# KiCad board APDS9960 Adapter board_panel.kicad_pcb
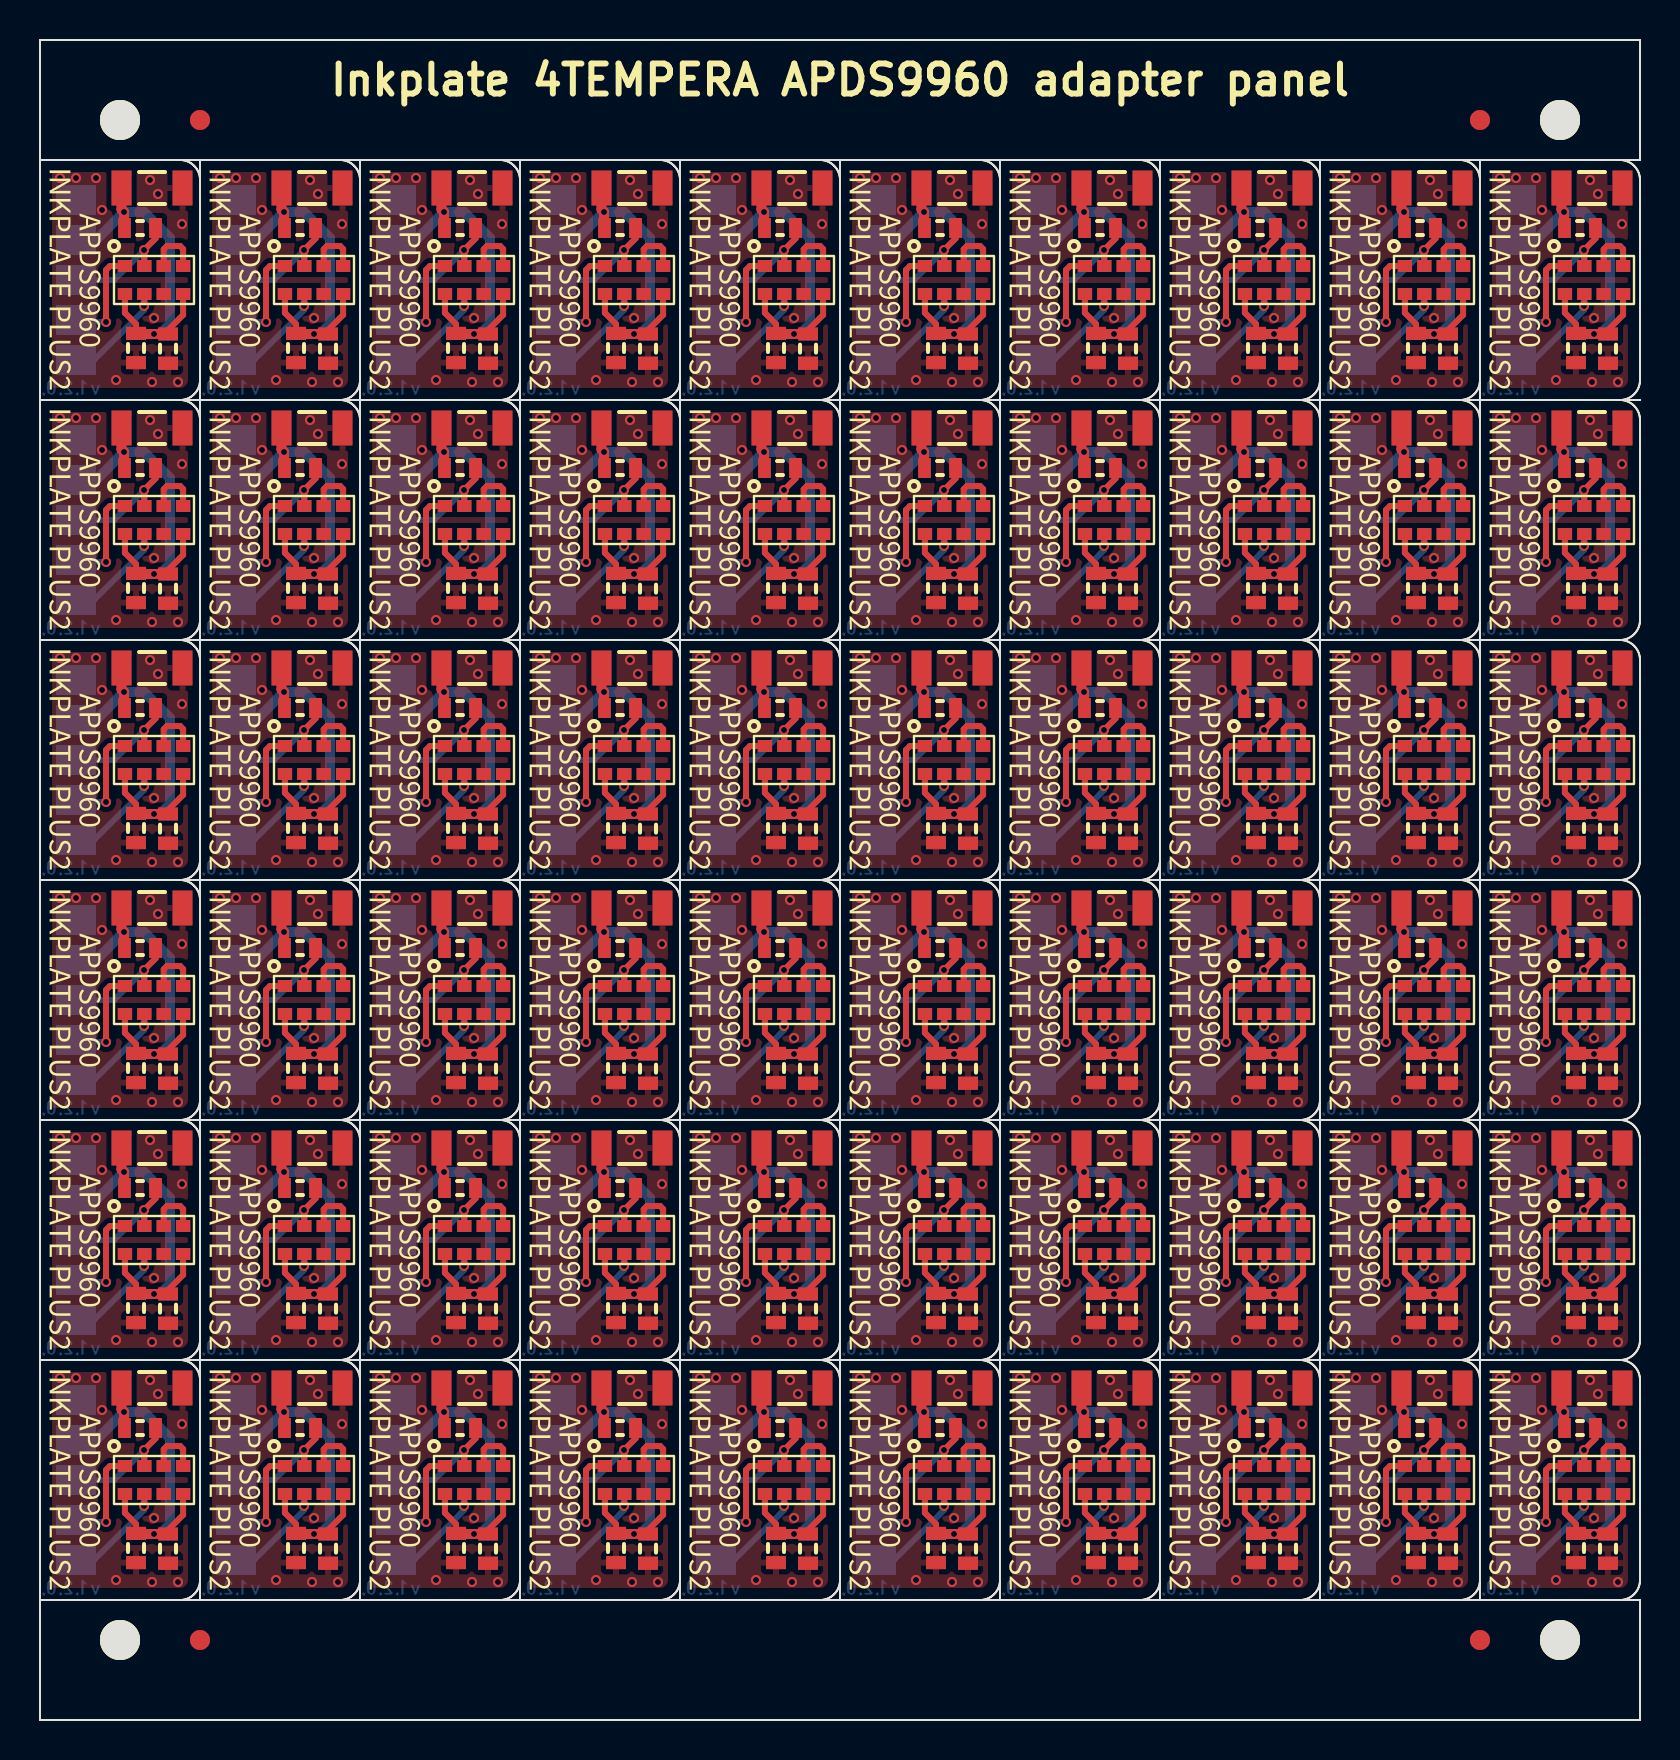
[diagram p0: board, top side]
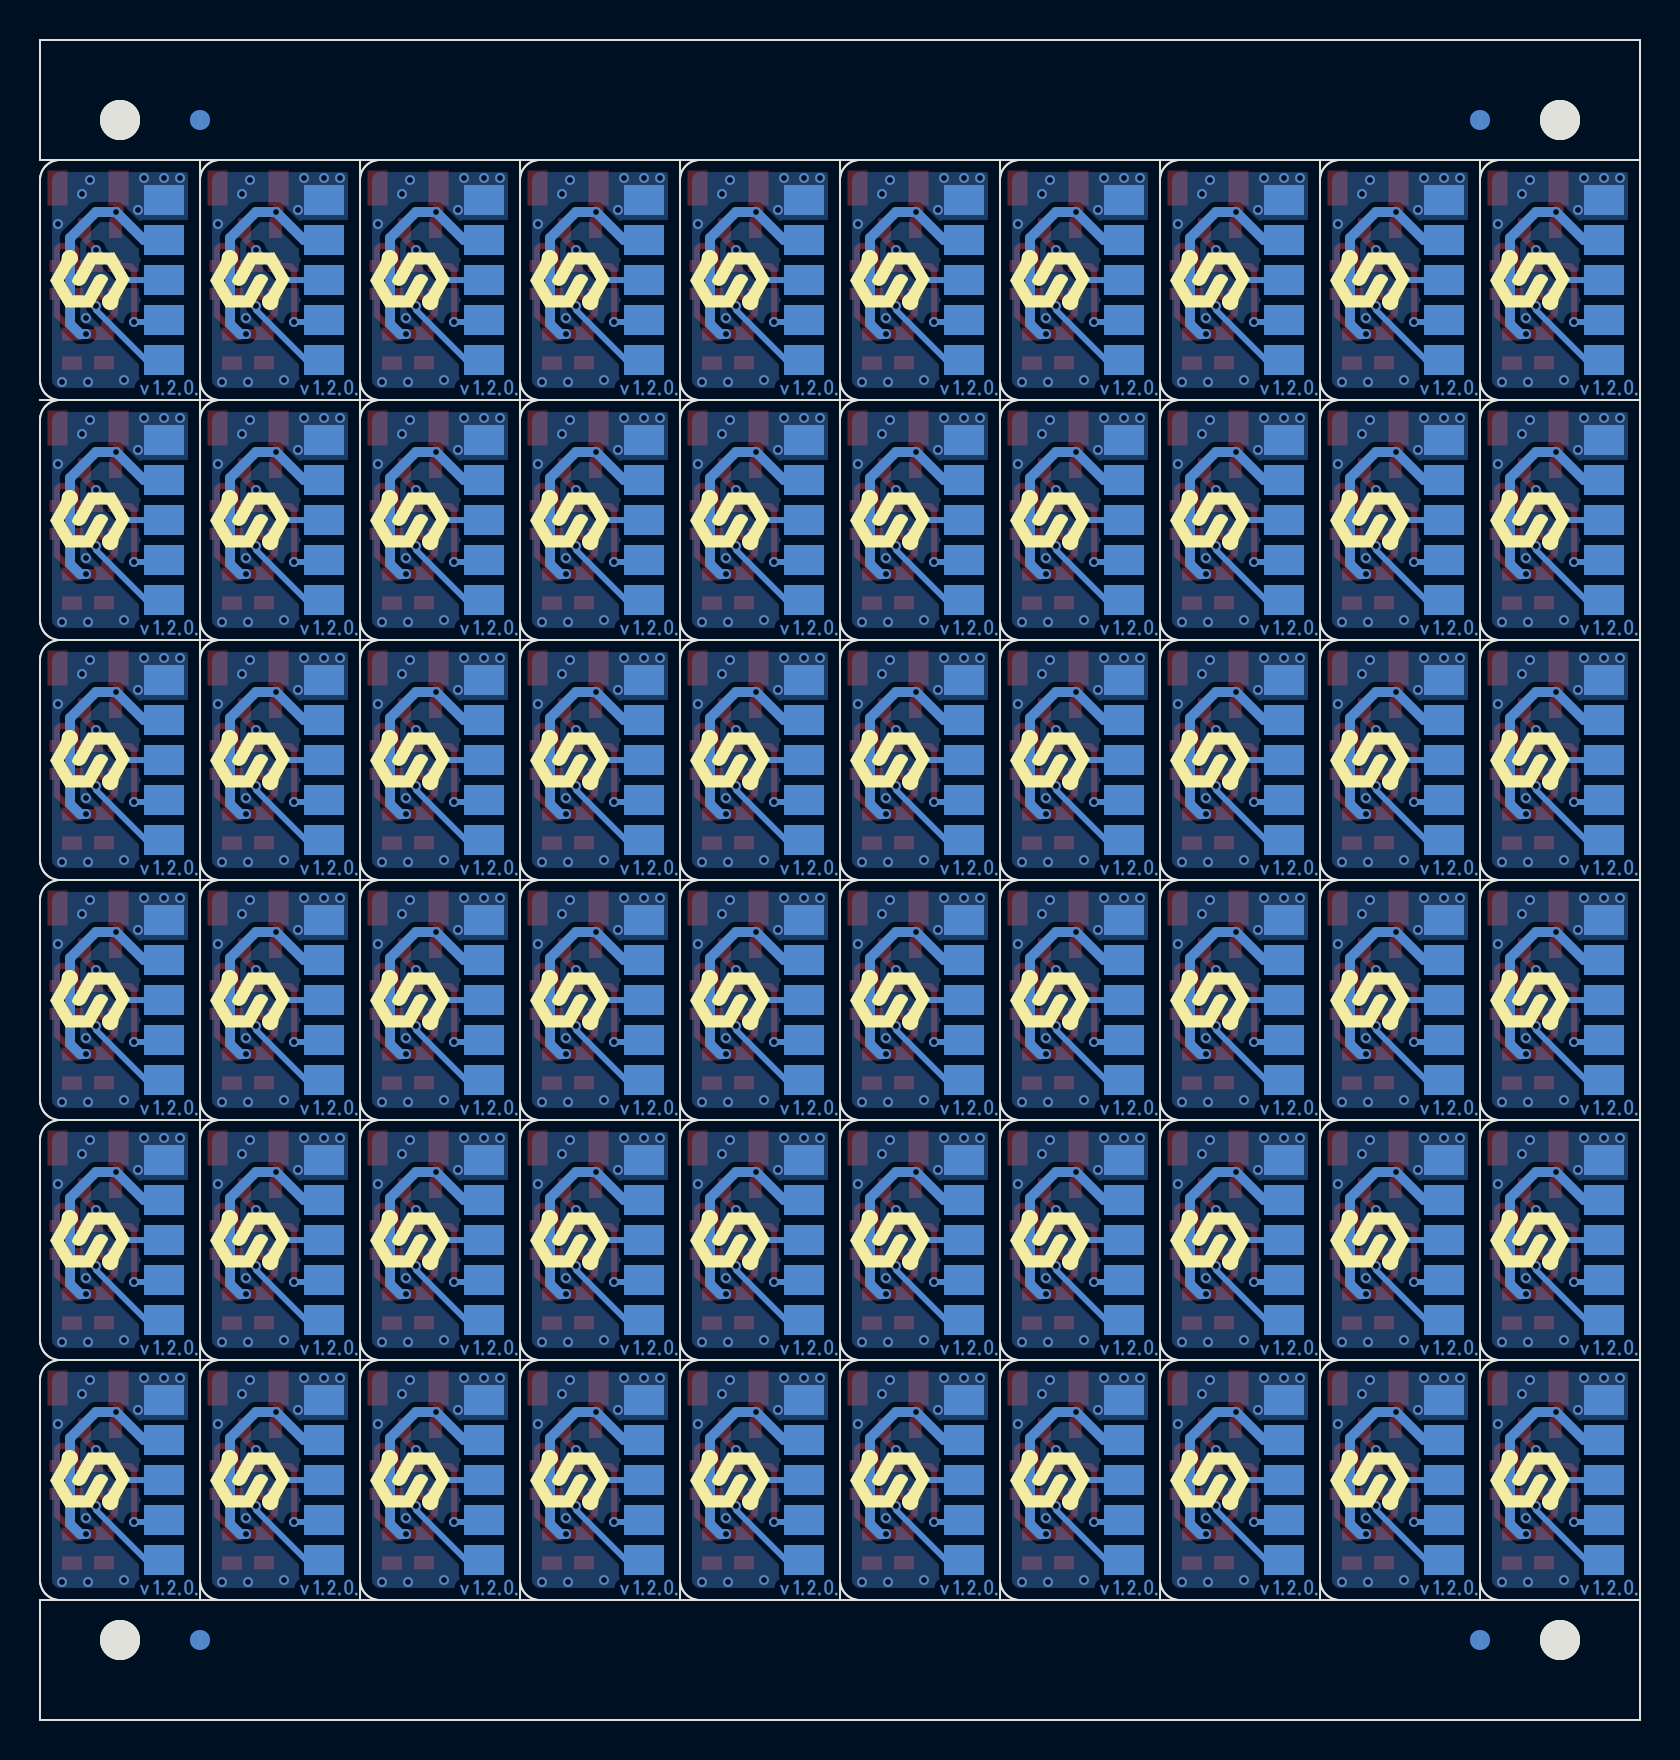
[diagram p1: board, bottom side, seen from below]

Outline 80 x 84 mm; copper layers: Top, Bottom. Coordinates in mm from the lower left corner of the outline.
Stack: Top 0.035mm / dielectric 1.51mm FR4 er 4.5 / Bottom 0.035mm

## Placement (name value [footprint] x y rotation side)
C1  1u  [0603C]  4.8 8.6 90 top
C1#2  1u  [0603C]  36.8 56.6 90 top
C1#3  1u  [0603C]  28.8 8.6 90 top
C1#4  1u  [0603C]  76.8 32.6 90 top
C1#5  1u  [0603C]  60.8 8.6 90 top
C1#6  1u  [0603C]  44.8 32.6 90 top
C1#7  1u  [0603C]  60.8 20.6 90 top
C1#8  1u  [0603C]  52.8 8.6 90 top
C1#9  1u  [0603C]  76.8 20.6 90 top
C1#10  1u  [0603C]  28.8 68.6 90 top
C1#11  1u  [0603C]  20.8 20.6 90 top
C1#12  1u  [0603C]  44.8 44.6 90 top
C1#13  1u  [0603C]  20.8 44.6 90 top
C1#14  1u  [0603C]  60.8 44.6 90 top
C1#15  1u  [0603C]  12.8 8.6 90 top
C1#16  1u  [0603C]  36.8 32.6 90 top
C1#17  1u  [0603C]  20.8 56.6 90 top
C1#18  1u  [0603C]  76.8 68.6 90 top
C1#19  1u  [0603C]  76.8 44.6 90 top
C1#20  1u  [0603C]  20.8 8.6 90 top
C1#21  1u  [0603C]  36.8 8.6 90 top
C1#22  1u  [0603C]  44.8 56.6 90 top
C1#23  1u  [0603C]  68.8 20.6 90 top
C1#24  1u  [0603C]  12.8 44.6 90 top
C1#25  1u  [0603C]  4.8 32.6 90 top
C1#26  1u  [0603C]  76.8 56.6 90 top
C1#27  1u  [0603C]  52.8 56.6 90 top
C1#28  1u  [0603C]  44.8 8.6 90 top
C1#29  1u  [0603C]  60.8 32.6 90 top
C1#30  1u  [0603C]  60.8 68.6 90 top
C1#31  1u  [0603C]  52.8 68.6 90 top
C1#32  1u  [0603C]  68.8 56.6 90 top
C1#33  1u  [0603C]  68.8 68.6 90 top
C1#34  1u  [0603C]  12.8 20.6 90 top
C1#35  1u  [0603C]  52.8 44.6 90 top
C1#36  1u  [0603C]  4.8 44.6 90 top
C1#37  1u  [0603C]  76.8 8.6 90 top
C1#38  1u  [0603C]  36.8 68.6 90 top
C1#39  1u  [0603C]  28.8 56.6 90 top
C1#40  1u  [0603C]  28.8 20.6 90 top
C1#41  1u  [0603C]  68.8 32.6 90 top
C1#42  1u  [0603C]  28.8 32.6 90 top
C1#43  1u  [0603C]  28.8 44.6 90 top
C1#44  1u  [0603C]  4.8 68.6 90 top
C1#45  1u  [0603C]  20.8 32.6 90 top
C1#46  1u  [0603C]  60.8 56.6 90 top
C1#47  1u  [0603C]  44.8 20.6 90 top
C1#48  1u  [0603C]  12.8 68.6 90 top
C1#49  1u  [0603C]  68.8 8.6 90 top
C1#50  1u  [0603C]  4.8 20.6 90 top
C1#51  1u  [0603C]  36.8 44.6 90 top
C1#52  1u  [0603C]  4.8 56.6 90 top
C1#53  1u  [0603C]  12.8 32.6 90 top
C1#54  1u  [0603C]  52.8 32.6 90 top
C1#55  1u  [0603C]  12.8 56.6 90 top
C1#56  1u  [0603C]  68.8 44.6 90 top
C1#57  1u  [0603C]  44.8 68.6 90 top
C1#58  1u  [0603C]  20.8 68.6 90 top
C1#59  1u  [0603C]  36.8 20.6 90 top
C1#60  1u  [0603C]  52.8 20.6 90 top
C2  100n  [0603C]  70.4 68.57 90 top
C2#2  100n  [0603C]  78.4 56.57 90 top
C2#3  100n  [0603C]  62.4 44.57 90 top
C2#4  100n  [0603C]  22.4 32.57 90 top
C2#5  100n  [0603C]  54.4 44.57 90 top
C2#6  100n  [0603C]  30.4 20.57 90 top
C2#7  100n  [0603C]  38.4 68.57 90 top
C2#8  100n  [0603C]  38.4 56.57 90 top
C2#9  100n  [0603C]  38.4 20.57 90 top
C2#10  100n  [0603C]  62.4 32.57 90 top
C2#11  100n  [0603C]  30.4 8.57 90 top
C2#12  100n  [0603C]  14.4 32.57 90 top
C2#13  100n  [0603C]  54.4 8.57 90 top
C2#14  100n  [0603C]  78.4 8.57 90 top
C2#15  100n  [0603C]  78.4 68.57 90 top
C2#16  100n  [0603C]  30.4 56.57 90 top
C2#17  100n  [0603C]  38.4 32.57 90 top
C2#18  100n  [0603C]  54.4 32.57 90 top
C2#19  100n  [0603C]  46.4 56.57 90 top
C2#20  100n  [0603C]  14.4 20.57 90 top
C2#21  100n  [0603C]  78.4 44.57 90 top
C2#22  100n  [0603C]  62.4 68.57 90 top
C2#23  100n  [0603C]  78.4 32.57 90 top
C2#24  100n  [0603C]  70.4 20.57 90 top
C2#25  100n  [0603C]  6.4 20.57 90 top
C2#26  100n  [0603C]  14.4 56.57 90 top
C2#27  100n  [0603C]  30.4 32.57 90 top
C2#28  100n  [0603C]  54.4 68.57 90 top
C2#29  100n  [0603C]  6.4 44.57 90 top
C2#30  100n  [0603C]  70.4 56.57 90 top
C2#31  100n  [0603C]  22.4 56.57 90 top
C2#32  100n  [0603C]  70.4 8.57 90 top
C2#33  100n  [0603C]  38.4 8.57 90 top
C2#34  100n  [0603C]  6.4 68.57 90 top
C2#35  100n  [0603C]  14.4 44.57 90 top
C2#36  100n  [0603C]  46.4 44.57 90 top
C2#37  100n  [0603C]  22.4 44.57 90 top
C2#38  100n  [0603C]  46.4 8.57 90 top
C2#39  100n  [0603C]  46.4 20.57 90 top
C2#40  100n  [0603C]  54.4 56.57 90 top
C2#41  100n  [0603C]  22.4 20.57 90 top
C2#42  100n  [0603C]  62.4 8.57 90 top
C2#43  100n  [0603C]  14.4 8.57 90 top
C2#44  100n  [0603C]  22.4 68.57 90 top
C2#45  100n  [0603C]  6.4 8.57 90 top
C2#46  100n  [0603C]  30.4 44.57 90 top
C2#47  100n  [0603C]  78.4 20.57 90 top
C2#48  100n  [0603C]  6.4 32.57 90 top
C2#49  100n  [0603C]  30.4 68.57 90 top
C2#50  100n  [0603C]  46.4 68.57 90 top
C2#51  100n  [0603C]  46.4 32.57 90 top
C2#52  100n  [0603C]  70.4 32.57 90 top
C2#53  100n  [0603C]  14.4 68.57 90 top
C2#54  100n  [0603C]  54.4 20.57 90 top
C2#55  100n  [0603C]  62.4 20.57 90 top
C2#56  100n  [0603C]  62.4 56.57 90 top
C2#57  100n  [0603C]  22.4 8.57 90 top
C2#58  100n  [0603C]  70.4 44.57 90 top
C2#59  100n  [0603C]  6.4 56.57 90 top
C2#60  100n  [0603C]  38.4 44.57 90 top
C3  10u  [1206C]  77.6 28.6 180 top
C3#2  10u  [1206C]  37.6 52.6 180 top
C3#3  10u  [1206C]  5.6 52.6 180 top
C3#4  10u  [1206C]  13.6 28.6 180 top
C3#5  10u  [1206C]  21.6 76.6 180 top
C3#6  10u  [1206C]  77.6 64.6 180 top
C3#7  10u  [1206C]  77.6 52.6 180 top
C3#8  10u  [1206C]  5.6 40.6 180 top
C3#9  10u  [1206C]  61.6 16.6 180 top
C3#10  10u  [1206C]  29.6 76.6 180 top
C3#11  10u  [1206C]  53.6 16.6 180 top
C3#12  10u  [1206C]  77.6 76.6 180 top
C3#13  10u  [1206C]  21.6 28.6 180 top
C3#14  10u  [1206C]  69.6 76.6 180 top
C3#15  10u  [1206C]  45.6 28.6 180 top
C3#16  10u  [1206C]  37.6 64.6 180 top
C3#17  10u  [1206C]  45.6 52.6 180 top
C3#18  10u  [1206C]  77.6 16.6 180 top
C3#19  10u  [1206C]  5.6 16.6 180 top
C3#20  10u  [1206C]  13.6 64.6 180 top
C3#21  10u  [1206C]  61.6 76.6 180 top
C3#22  10u  [1206C]  45.6 40.6 180 top
C3#23  10u  [1206C]  21.6 52.6 180 top
C3#24  10u  [1206C]  5.6 76.6 180 top
C3#25  10u  [1206C]  61.6 64.6 180 top
C3#26  10u  [1206C]  61.6 52.6 180 top
C3#27  10u  [1206C]  21.6 16.6 180 top
C3#28  10u  [1206C]  13.6 76.6 180 top
C3#29  10u  [1206C]  69.6 40.6 180 top
C3#30  10u  [1206C]  61.6 40.6 180 top
C3#31  10u  [1206C]  53.6 28.6 180 top
C3#32  10u  [1206C]  69.6 52.6 180 top
C3#33  10u  [1206C]  21.6 40.6 180 top
C3#34  10u  [1206C]  13.6 52.6 180 top
C3#35  10u  [1206C]  45.6 64.6 180 top
C3#36  10u  [1206C]  61.6 28.6 180 top
C3#37  10u  [1206C]  69.6 16.6 180 top
C3#38  10u  [1206C]  37.6 16.6 180 top
C3#39  10u  [1206C]  77.6 40.6 180 top
C3#40  10u  [1206C]  29.6 52.6 180 top
C3#41  10u  [1206C]  13.6 40.6 180 top
C3#42  10u  [1206C]  53.6 40.6 180 top
C3#43  10u  [1206C]  5.6 64.6 180 top
C3#44  10u  [1206C]  21.6 64.6 180 top
C3#45  10u  [1206C]  5.6 28.6 180 top
C3#46  10u  [1206C]  53.6 76.6 180 top
C3#47  10u  [1206C]  13.6 16.6 180 top
C3#48  10u  [1206C]  37.6 40.6 180 top
C3#49  10u  [1206C]  29.6 40.6 180 top
C3#50  10u  [1206C]  45.6 76.6 180 top
C3#51  10u  [1206C]  45.6 16.6 180 top
C3#52  10u  [1206C]  29.6 16.6 180 top
C3#53  10u  [1206C]  29.6 28.6 180 top
C3#54  10u  [1206C]  53.6 64.6 180 top
C3#55  10u  [1206C]  53.6 52.6 180 top
C3#56  10u  [1206C]  69.6 28.6 180 top
C3#57  10u  [1206C]  69.6 64.6 180 top
C3#58  10u  [1206C]  29.6 64.6 180 top
C3#59  10u  [1206C]  37.6 76.6 180 top
C3#60  10u  [1206C]  37.6 28.6 180 top
G***  LOGO  [Logo-Back-Soldered-4mm]  45.5 48 90 top
G***#2  LOGO  [Logo-Back-Soldered-4mm]  45.5 12 90 top
G***#3  LOGO  [Logo-Back-Soldered-4mm]  37.5 48 90 top
G***#4  LOGO  [Logo-Back-Soldered-4mm]  37.5 36 90 top
G***#5  LOGO  [Logo-Back-Soldered-4mm]  21.5 60 90 top
G***#6  LOGO  [Logo-Back-Soldered-4mm]  53.5 12 90 top
G***#7  LOGO  [Logo-Back-Soldered-4mm]  37.5 60 90 top
G***#8  LOGO  [Logo-Back-Soldered-4mm]  13.5 24 90 top
G***#9  LOGO  [Logo-Back-Soldered-4mm]  53.5 72 90 top
G***#10  LOGO  [Logo-Back-Soldered-4mm]  61.5 36 90 top
G***#11  LOGO  [Logo-Back-Soldered-4mm]  29.5 12 90 top
G***#12  LOGO  [Logo-Back-Soldered-4mm]  5.5 24 90 top
G***#13  LOGO  [Logo-Back-Soldered-4mm]  13.5 12 90 top
G***#14  LOGO  [Logo-Back-Soldered-4mm]  5.5 36 90 top
G***#15  LOGO  [Logo-Back-Soldered-4mm]  61.5 48 90 top
G***#16  LOGO  [Logo-Back-Soldered-4mm]  77.5 48 90 top
G***#17  LOGO  [Logo-Back-Soldered-4mm]  69.5 60 90 top
G***#18  LOGO  [Logo-Back-Soldered-4mm]  13.5 60 90 top
G***#19  LOGO  [Logo-Back-Soldered-4mm]  21.5 48 90 top
G***#20  LOGO  [Logo-Back-Soldered-4mm]  61.5 24 90 top
G***#21  LOGO  [Logo-Back-Soldered-4mm]  77.5 12 90 top
G***#22  LOGO  [Logo-Back-Soldered-4mm]  5.5 60 90 top
G***#23  LOGO  [Logo-Back-Soldered-4mm]  37.5 72 90 top
G***#24  LOGO  [Logo-Back-Soldered-4mm]  45.5 72 90 top
G***#25  LOGO  [Logo-Back-Soldered-4mm]  69.5 12 90 top
G***#26  LOGO  [Logo-Back-Soldered-4mm]  13.5 72 90 top
G***#27  LOGO  [Logo-Back-Soldered-4mm]  13.5 48 90 top
G***#28  LOGO  [Logo-Back-Soldered-4mm]  53.5 24 90 top
G***#29  LOGO  [Logo-Back-Soldered-4mm]  37.5 24 90 top
G***#30  LOGO  [Logo-Back-Soldered-4mm]  29.5 60 90 top
G***#31  LOGO  [Logo-Back-Soldered-4mm]  29.5 24 90 top
G***#32  LOGO  [Logo-Back-Soldered-4mm]  61.5 60 90 top
G***#33  LOGO  [Logo-Back-Soldered-4mm]  77.5 72 90 top
G***#34  LOGO  [Logo-Back-Soldered-4mm]  45.5 36 90 top
G***#35  LOGO  [Logo-Back-Soldered-4mm]  61.5 72 90 top
G***#36  LOGO  [Logo-Back-Soldered-4mm]  29.5 72 90 top
G***#37  LOGO  [Logo-Back-Soldered-4mm]  5.5 72 90 top
G***#38  LOGO  [Logo-Back-Soldered-4mm]  77.5 24 90 top
G***#39  LOGO  [Logo-Back-Soldered-4mm]  21.5 72 90 top
G***#40  LOGO  [Logo-Back-Soldered-4mm]  53.5 60 90 top
G***#41  LOGO  [Logo-Back-Soldered-4mm]  45.5 24 90 top
G***#42  LOGO  [Logo-Back-Soldered-4mm]  21.5 24 90 top
G***#43  LOGO  [Logo-Back-Soldered-4mm]  29.5 48 90 top
G***#44  LOGO  [Logo-Back-Soldered-4mm]  45.5 60 90 top
G***#45  LOGO  [Logo-Back-Soldered-4mm]  21.5 12 90 top
G***#46  LOGO  [Logo-Back-Soldered-4mm]  53.5 36 90 top
G***#47  LOGO  [Logo-Back-Soldered-4mm]  69.5 48 90 top
G***#48  LOGO  [Logo-Back-Soldered-4mm]  69.5 24 90 top
G***#49  LOGO  [Logo-Back-Soldered-4mm]  13.5 36 90 top
G***#50  LOGO  [Logo-Back-Soldered-4mm]  69.5 72 90 top
G***#51  LOGO  [Logo-Back-Soldered-4mm]  21.5 36 90 top
G***#52  LOGO  [Logo-Back-Soldered-4mm]  77.5 60 90 top
G***#53  LOGO  [Logo-Back-Soldered-4mm]  69.5 36 90 top
G***#54  LOGO  [Logo-Back-Soldered-4mm]  29.5 36 90 top
G***#55  LOGO  [Logo-Back-Soldered-4mm]  5.5 48 90 top
G***#56  LOGO  [Logo-Back-Soldered-4mm]  5.5 12 90 top
G***#57  LOGO  [Logo-Back-Soldered-4mm]  61.5 12 90 top
G***#58  LOGO  [Logo-Back-Soldered-4mm]  77.5 36 90 top
G***#59  LOGO  [Logo-Back-Soldered-4mm]  37.5 12 90 top
G***#60  LOGO  [Logo-Back-Soldered-4mm]  53.5 48 90 top
kibuzzard-64A9B32F  G***  [kibuzzard-64A9B32F]  17 48 270 top
kibuzzard-64A9B32F#2  G***  [kibuzzard-64A9B32F]  25 48 270 top
kibuzzard-64A9B32F#3  G***  [kibuzzard-64A9B32F]  57 60 270 top
kibuzzard-64A9B32F#4  G***  [kibuzzard-64A9B32F]  57 36 270 top
kibuzzard-64A9B32F#5  G***  [kibuzzard-64A9B32F]  1 48 270 top
kibuzzard-64A9B32F#6  G***  [kibuzzard-64A9B32F]  25 24 270 top
kibuzzard-64A9B32F#7  G***  [kibuzzard-64A9B32F]  1 72 270 top
kibuzzard-64A9B32F#8  G***  [kibuzzard-64A9B32F]  49 48 270 top
kibuzzard-64A9B32F#9  G***  [kibuzzard-64A9B32F]  17 36 270 top
kibuzzard-64A9B32F#10  G***  [kibuzzard-64A9B32F]  33 36 270 top
kibuzzard-64A9B32F#11  G***  [kibuzzard-64A9B32F]  49 36 270 top
kibuzzard-64A9B32F#12  G***  [kibuzzard-64A9B32F]  73 36 270 top
kibuzzard-64A9B32F#13  G***  [kibuzzard-64A9B32F]  65 72 270 top
kibuzzard-64A9B32F#14  G***  [kibuzzard-64A9B32F]  57 72 270 top
kibuzzard-64A9B32F#15  G***  [kibuzzard-64A9B32F]  33 72 270 top
kibuzzard-64A9B32F#16  G***  [kibuzzard-64A9B32F]  25 36 270 top
kibuzzard-64A9B32F#17  G***  [kibuzzard-64A9B32F]  41 12 270 top
kibuzzard-64A9B32F#18  G***  [kibuzzard-64A9B32F]  1 24 270 top
kibuzzard-64A9B32F#19  G***  [kibuzzard-64A9B32F]  1 12 270 top
kibuzzard-64A9B32F#20  G***  [kibuzzard-64A9B32F]  17 12 270 top
kibuzzard-64A9B32F#21  G***  [kibuzzard-64A9B32F]  65 36 270 top
kibuzzard-64A9B32F#22  G***  [kibuzzard-64A9B32F]  1 36 270 top
kibuzzard-64A9B32F#23  G***  [kibuzzard-64A9B32F]  65 60 270 top
kibuzzard-64A9B32F#24  G***  [kibuzzard-64A9B32F]  25 60 270 top
kibuzzard-64A9B32F#25  G***  [kibuzzard-64A9B32F]  65 12 270 top
kibuzzard-64A9B32F#26  G***  [kibuzzard-64A9B32F]  65 24 270 top
kibuzzard-64A9B32F#27  G***  [kibuzzard-64A9B32F]  73 12 270 top
kibuzzard-64A9B32F#28  G***  [kibuzzard-64A9B32F]  49 12 270 top
kibuzzard-64A9B32F#29  G***  [kibuzzard-64A9B32F]  73 24 270 top
kibuzzard-64A9B32F#30  G***  [kibuzzard-64A9B32F]  73 60 270 top
kibuzzard-64A9B32F#31  G***  [kibuzzard-64A9B32F]  41 72 270 top
kibuzzard-64A9B32F#32  G***  [kibuzzard-64A9B32F]  9 60 270 top
kibuzzard-64A9B32F#33  G***  [kibuzzard-64A9B32F]  73 48 270 top
kibuzzard-64A9B32F#34  G***  [kibuzzard-64A9B32F]  9 24 270 top
kibuzzard-64A9B32F#35  G***  [kibuzzard-64A9B32F]  17 72 270 top
kibuzzard-64A9B32F#36  G***  [kibuzzard-64A9B32F]  9 72 270 top
kibuzzard-64A9B32F#37  G***  [kibuzzard-64A9B32F]  57 48 270 top
kibuzzard-64A9B32F#38  G***  [kibuzzard-64A9B32F]  33 60 270 top
kibuzzard-64A9B32F#39  G***  [kibuzzard-64A9B32F]  9 12 270 top
kibuzzard-64A9B32F#40  G***  [kibuzzard-64A9B32F]  57 24 270 top
kibuzzard-64A9B32F#41  G***  [kibuzzard-64A9B32F]  57 12 270 top
kibuzzard-64A9B32F#42  G***  [kibuzzard-64A9B32F]  17 24 270 top
kibuzzard-64A9B32F#43  G***  [kibuzzard-64A9B32F]  25 12 270 top
kibuzzard-64A9B32F#44  G***  [kibuzzard-64A9B32F]  17 60 270 top
kibuzzard-64A9B32F#45  G***  [kibuzzard-64A9B32F]  41 24 270 top
kibuzzard-64A9B32F#46  G***  [kibuzzard-64A9B32F]  73 72 270 top
kibuzzard-64A9B32F#47  G***  [kibuzzard-64A9B32F]  41 60 270 top
kibuzzard-64A9B32F#48  G***  [kibuzzard-64A9B32F]  65 48 270 top
kibuzzard-64A9B32F#49  G***  [kibuzzard-64A9B32F]  49 60 270 top
kibuzzard-64A9B32F#50  G***  [kibuzzard-64A9B32F]  33 12 270 top
kibuzzard-64A9B32F#51  G***  [kibuzzard-64A9B32F]  9 36 270 top
kibuzzard-64A9B32F#52  G***  [kibuzzard-64A9B32F]  1 60 270 top
kibuzzard-64A9B32F#53  G***  [kibuzzard-64A9B32F]  33 48 270 top
kibuzzard-64A9B32F#54  G***  [kibuzzard-64A9B32F]  41 36 270 top
kibuzzard-64A9B32F#55  G***  [kibuzzard-64A9B32F]  33 24 270 top
kibuzzard-64A9B32F#56  G***  [kibuzzard-64A9B32F]  9 48 270 top
kibuzzard-64A9B32F#57  G***  [kibuzzard-64A9B32F]  49 24 270 top
kibuzzard-64A9B32F#58  G***  [kibuzzard-64A9B32F]  49 72 270 top
kibuzzard-64A9B32F#59  G***  [kibuzzard-64A9B32F]  25 72 270 top
kibuzzard-64A9B32F#60  G***  [kibuzzard-64A9B32F]  41 48 270 top
kibuzzard-64A9B359  G***  [kibuzzard-64A9B359]  58.5 36 270 top
kibuzzard-64A9B359#2  G***  [kibuzzard-64A9B359]  10.5 24 270 top
kibuzzard-64A9B359#3  G***  [kibuzzard-64A9B359]  66.5 60 270 top
kibuzzard-64A9B359#4  G***  [kibuzzard-64A9B359]  74.5 24 270 top
kibuzzard-64A9B359#5  G***  [kibuzzard-64A9B359]  2.5 72 270 top
kibuzzard-64A9B359#6  G***  [kibuzzard-64A9B359]  18.5 24 270 top
kibuzzard-64A9B359#7  G***  [kibuzzard-64A9B359]  18.5 72 270 top
kibuzzard-64A9B359#8  G***  [kibuzzard-64A9B359]  74.5 60 270 top
kibuzzard-64A9B359#9  G***  [kibuzzard-64A9B359]  2.5 48 270 top
kibuzzard-64A9B359#10  G***  [kibuzzard-64A9B359]  50.5 12 270 top
kibuzzard-64A9B359#11  G***  [kibuzzard-64A9B359]  26.5 12 270 top
kibuzzard-64A9B359#12  G***  [kibuzzard-64A9B359]  74.5 12 270 top
kibuzzard-64A9B359#13  G***  [kibuzzard-64A9B359]  42.5 24 270 top
kibuzzard-64A9B359#14  G***  [kibuzzard-64A9B359]  18.5 60 270 top
kibuzzard-64A9B359#15  G***  [kibuzzard-64A9B359]  26.5 48 270 top
kibuzzard-64A9B359#16  G***  [kibuzzard-64A9B359]  58.5 60 270 top
kibuzzard-64A9B359#17  G***  [kibuzzard-64A9B359]  10.5 36 270 top
kibuzzard-64A9B359#18  G***  [kibuzzard-64A9B359]  10.5 60 270 top
kibuzzard-64A9B359#19  G***  [kibuzzard-64A9B359]  50.5 24 270 top
kibuzzard-64A9B359#20  G***  [kibuzzard-64A9B359]  66.5 36 270 top
kibuzzard-64A9B359#21  G***  [kibuzzard-64A9B359]  42.5 36 270 top
kibuzzard-64A9B359#22  G***  [kibuzzard-64A9B359]  26.5 72 270 top
kibuzzard-64A9B359#23  G***  [kibuzzard-64A9B359]  18.5 48 270 top
kibuzzard-64A9B359#24  G***  [kibuzzard-64A9B359]  34.5 72 270 top
kibuzzard-64A9B359#25  G***  [kibuzzard-64A9B359]  50.5 36 270 top
kibuzzard-64A9B359#26  G***  [kibuzzard-64A9B359]  18.5 12 270 top
kibuzzard-64A9B359#27  G***  [kibuzzard-64A9B359]  66.5 48 270 top
kibuzzard-64A9B359#28  G***  [kibuzzard-64A9B359]  42.5 60 270 top
kibuzzard-64A9B359#29  G***  [kibuzzard-64A9B359]  2.5 24 270 top
kibuzzard-64A9B359#30  G***  [kibuzzard-64A9B359]  34.5 24 270 top
kibuzzard-64A9B359#31  G***  [kibuzzard-64A9B359]  26.5 36 270 top
kibuzzard-64A9B359#32  G***  [kibuzzard-64A9B359]  58.5 48 270 top
kibuzzard-64A9B359#33  G***  [kibuzzard-64A9B359]  50.5 48 270 top
kibuzzard-64A9B359#34  G***  [kibuzzard-64A9B359]  10.5 48 270 top
kibuzzard-64A9B359#35  G***  [kibuzzard-64A9B359]  10.5 12 270 top
kibuzzard-64A9B359#36  G***  [kibuzzard-64A9B359]  50.5 60 270 top
kibuzzard-64A9B359#37  G***  [kibuzzard-64A9B359]  26.5 24 270 top
kibuzzard-64A9B359#38  G***  [kibuzzard-64A9B359]  66.5 12 270 top
kibuzzard-64A9B359#39  G***  [kibuzzard-64A9B359]  26.5 60 270 top
kibuzzard-64A9B359#40  G***  [kibuzzard-64A9B359]  66.5 72 270 top
kibuzzard-64A9B359#41  G***  [kibuzzard-64A9B359]  34.5 12 270 top
kibuzzard-64A9B359#42  G***  [kibuzzard-64A9B359]  66.5 24 270 top
kibuzzard-64A9B359#43  G***  [kibuzzard-64A9B359]  74.5 72 270 top
kibuzzard-64A9B359#44  G***  [kibuzzard-64A9B359]  10.5 72 270 top
kibuzzard-64A9B359#45  G***  [kibuzzard-64A9B359]  74.5 48 270 top
kibuzzard-64A9B359#46  G***  [kibuzzard-64A9B359]  2.5 12 270 top
kibuzzard-64A9B359#47  G***  [kibuzzard-64A9B359]  58.5 72 270 top
kibuzzard-64A9B359#48  G***  [kibuzzard-64A9B359]  58.5 24 270 top
kibuzzard-64A9B359#49  G***  [kibuzzard-64A9B359]  50.5 72 270 top
kibuzzard-64A9B359#50  G***  [kibuzzard-64A9B359]  42.5 72 270 top
kibuzzard-64A9B359#51  G***  [kibuzzard-64A9B359]  58.5 12 270 top
kibuzzard-64A9B359#52  G***  [kibuzzard-64A9B359]  18.5 36 270 top
kibuzzard-64A9B359#53  G***  [kibuzzard-64A9B359]  2.5 60 270 top
kibuzzard-64A9B359#54  G***  [kibuzzard-64A9B359]  74.5 36 270 top
kibuzzard-64A9B359#55  G***  [kibuzzard-64A9B359]  34.5 60 270 top
kibuzzard-64A9B359#56  G***  [kibuzzard-64A9B359]  42.5 12 270 top
kibuzzard-64A9B359#57  G***  [kibuzzard-64A9B359]  2.5 36 270 top
kibuzzard-64A9B359#58  G***  [kibuzzard-64A9B359]  34.5 36 270 top
kibuzzard-64A9B359#59  G***  [kibuzzard-64A9B359]  42.5 48 270 top
kibuzzard-64A9B359#60  G***  [kibuzzard-64A9B359]  34.5 48 270 top
PAD1  -  [PAD_2x1.5]  49.8 58 180 bottom
PAD1#2  -  [PAD_2x1.5]  33.8 22 180 bottom
PAD1#3  -  [PAD_2x1.5]  65.8 34 180 bottom
PAD1#4  -  [PAD_2x1.5]  73.8 46 180 bottom
PAD1#5  -  [PAD_2x1.5]  33.8 58 180 bottom
PAD1#6  -  [PAD_2x1.5]  17.8 22 180 bottom
PAD1#7  -  [PAD_2x1.5]  41.8 58 180 bottom
PAD1#8  -  [PAD_2x1.5]  49.8 46 180 bottom
PAD1#9  -  [PAD_2x1.5]  25.8 46 180 bottom
PAD1#10  -  [PAD_2x1.5]  49.8 34 180 bottom
PAD1#11  -  [PAD_2x1.5]  33.8 70 180 bottom
PAD1#12  -  [PAD_2x1.5]  57.8 34 180 bottom
PAD1#13  -  [PAD_2x1.5]  65.8 70 180 bottom
PAD1#14  -  [PAD_2x1.5]  41.8 70 180 bottom
PAD1#15  -  [PAD_2x1.5]  17.8 46 180 bottom
PAD1#16  -  [PAD_2x1.5]  57.8 46 180 bottom
PAD1#17  -  [PAD_2x1.5]  25.8 10 180 bottom
PAD1#18  -  [PAD_2x1.5]  41.8 10 180 bottom
PAD1#19  -  [PAD_2x1.5]  25.8 70 180 bottom
PAD1#20  -  [PAD_2x1.5]  49.8 10 180 bottom
PAD1#21  -  [PAD_2x1.5]  9.8 22 180 bottom
PAD1#22  -  [PAD_2x1.5]  33.8 10 180 bottom
PAD1#23  -  [PAD_2x1.5]  73.8 70 180 bottom
PAD1#24  -  [PAD_2x1.5]  17.8 58 180 bottom
PAD1#25  -  [PAD_2x1.5]  17.8 70 180 bottom
PAD1#26  -  [PAD_2x1.5]  57.8 58 180 bottom
PAD1#27  -  [PAD_2x1.5]  65.8 46 180 bottom
PAD1#28  -  [PAD_2x1.5]  49.8 70 180 bottom
PAD1#29  -  [PAD_2x1.5]  9.8 46 180 bottom